# Altium PCB DevKit - PCB.PcbDoc (part 1 of 2) (continued)
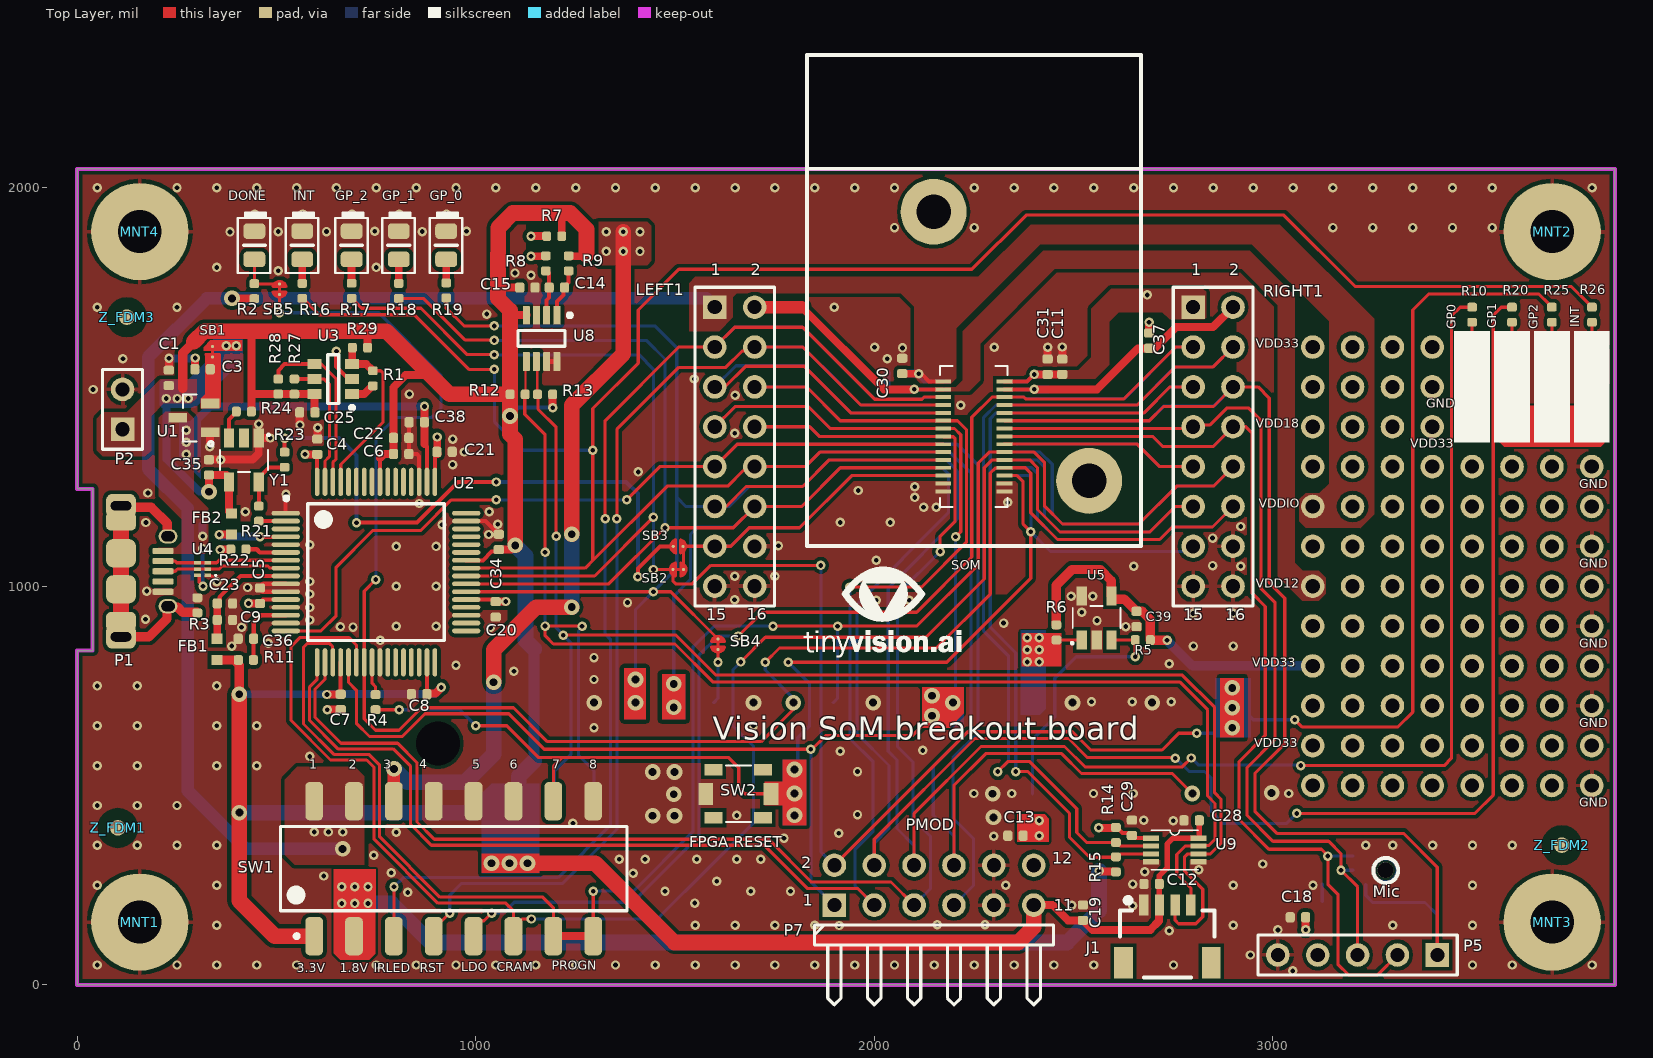
[diagram p0: Top Layer view]
## Footprints (in the part's own frame and the unit in brackets; to place one, negate y for a bottom-side part, rotate by r counter-clockwise, add the part's x,y. Pads: shape width x height; smd on the part's side, far side on the other; paste and mask are expansions set on the pad) (continued)
  silkscreen extent -2.15,-1.75 1.33,1.49, body extent -1.33,-1.75 1.32,1.75, height 1.23
LED2012N [mm]
  rrect50% 1x1.4 smd: 1(-0.9,0) 2(0.9,0)
  silkscreen extent -1.77,-1.02 2.07,1.05, body extent -1,-0.63 1,0.63, height 0.8
LQFP-64 [mm]
  oval 1.8x0.3 smd mask+0.051: 1(-5.75,3.75) 2(-5.75,3.25) 3(-5.75,2.75) 4(-5.75,2.25) 5(-5.75,1.75) 6(-5.75,1.25) 7(-5.75,0.75) 8(-5.75,0.25) 9(-5.75,-0.25) 10(-5.75,-0.75) 11(-5.75,-1.25) 12(-5.75,-1.75) 13(-5.75,-2.25) 14(-5.75,-2.75) 15(-5.75,-3.25) 16(-5.75,-3.75) 33(5.75,-3.75) 34(5.75,-3.25) 35(5.75,-2.75) 36(5.75,-2.25) 37(5.75,-1.75) 38(5.75,-1.25) 39(5.75,-0.75) 40(5.75,-0.25) 41(5.75,0.25) 42(5.75,0.75) 43(5.75,1.25) 44(5.75,1.75) 45(5.75,2.25) 46(5.75,2.75) 47(5.75,3.25) 48(5.75,3.75)
  oval 0.3x1.8 smd mask+0.051: 17(-3.75,-5.75) 18(-3.25,-5.75) 19(-2.75,-5.75) 20(-2.25,-5.75) 21(-1.75,-5.75) 22(-1.25,-5.75) 23(-0.75,-5.75) 24(-0.25,-5.75) 25(0.25,-5.75) 26(0.75,-5.75) 27(1.25,-5.75) 28(1.75,-5.75) 29(2.25,-5.75) 30(2.75,-5.75) 31(3.25,-5.75) 32(3.75,-5.75) 49(3.75,5.75) 50(3.25,5.75) 51(2.75,5.75) 52(2.25,5.75) 53(1.75,5.75) 54(1.25,5.75) 55(0.75,5.75) 56(0.25,5.75) 57(-0.25,5.75) 58(-0.75,5.75) 59(-1.25,5.75) 60(-1.75,5.75) 61(-2.25,5.75) 62(-2.75,5.75) 63(-3.25,5.75) 64(-3.75,5.75)
  silkscreen extent -5.84,-4.35 4.35,4.82, body extent -5,-5 5,5, height 1.6
MNT620-275N#1 [mm]
  round 6.2 / inner round 4.5 / far side round 6.2 hole 2.75 paste-3.15: 1(-0.74,-0.12)
MNT620-275N#2 [mm]
  round 6.2 / inner round 4.5 / far side round 6.2 hole 2.75 paste-3.15: 1(22.2,0)
MNT620-275N#3 [mm]
  round 6.2 / inner round 4.5 / far side round 6.2 hole 2.75 paste-3.15: 1(-0.508,0)
MURA-BLM18-RF-H4-CHIP-2_V [mm]
  rect 0.65x0.7 smd: 1(-0.675,0) 2(0.675,0)
  body extent -0.8,-0.4 0.8,0.4, height 0.95
ONSC-UDFN-6-517AA-01_V [mm] "SON, 6-Leads, Body 1.2x1mm, Pitch 0.4mm"
  rect 0.42x0.22 smd mask+0.051: 1(-0.325,0.4) 2(-0.325,0) 3(-0.325,-0.4) 4(0.325,-0.4) 5(0.325,0) 6(0.325,0.4)
  silkscreen extent -0.88,0.35 -0.79,0.45, body extent -0.5,-0.6 0.5,0.6, height 0.55
PTS820J25MSMTRLFS [mm]
  rect 0.95x1.4 smd: 1(-2.075,0) 2(2.075,0)
  rect 1.15x0.75 smd: G1(-1.575,-1.525) G2(1.575,-1.525) G3(1.575,1.525) G4(-1.575,1.525)
  silkscreen extent -0.8,-1.8 0.8,1.8, body extent -2.25,-1.45 2.25,1.45, height 2.05
RESC1005X40N [mm]
  rrect50% 0.57x0.62 smd: 1(-0.48,0) 2(0.48,0)
  body extent -0.52,-0.27 0.53,0.28, height 0.4
RPI0w1.3 [mm]
  rect 1x1.56 smd: 1(24.13,-2.905) 2(24.13,2.905) 3(21.59,-2.905) 4(21.59,2.905) 5(19.05,-2.905) 6(19.05,2.905) 7(16.51,-2.905) 8(16.51,2.905) 9(13.97,-2.905) 10(13.97,2.905) 11(11.43,-2.905) 12(11.43,2.905) 13(8.89,-2.905) 14(8.89,2.905) 15(6.35,-2.905) 16(6.35,2.905) 17(3.81,-2.905) 18(3.81,2.905) 19(1.27,-2.905) 20(1.27,2.905) 21(-1.27,-2.905) 22(-1.27,2.905) 23(-3.81,-2.905) 24(-3.81,2.905) 25(-6.35,-2.905) 26(-6.35,2.905) 27(-8.89,-2.905) 28(-8.89,2.905) 29(-11.43,-2.905) 30(-11.43,2.905) 31(-13.97,-2.905) 32(-13.97,2.905) 33(-16.51,-2.905) 34(-16.51,2.905) 35(-19.05,-2.905) 36(-19.05,2.905) 37(-21.59,-2.905) 38(-21.59,2.905) 39(-24.13,-2.905) 40(-24.13,2.905)
  round 1.4 hole 2.8 unplated: MH1(29,0.31)
  silkscreen extent -25.65,-4.57 25.65,2.5, body extent -32.6,-27.15 32.4,3.5, height 15.6
Solderbridge [mm]
  round 0.2 smd paste-10: 1(-0.312,0) 2(0.312,0)
  Top Layer region: -0.077,-0.432 -0.152,-0.505 -0.271,-0.467 -0.335,-0.424 -0.409,-0.351 -0.462,-0.292 -0.521,-0.193 -0.549,-0.099 -0.544,0.122 -0.518,0.193 -0.434,0.33 -0.351,0.411 -0.259,0.469 -0.157,0.5 -0.107,0.483 -0.077,0.43
  Top Layer region: 0.077,0.432 0.152,0.505 0.271,0.467 0.335,0.424 0.409,0.351 0.462,0.292 0.521,0.193 0.549,0.099 0.544,-0.122 0.518,-0.193 0.434,-0.33 0.351,-0.411 0.259,-0.469 0.157,-0.5 0.107,-0.483 0.077,-0.43
  Top Layer lines w0.152: 0.153,0.431 cw(c0.042,0) 0.487,0 cw(c0.042,0) 0.153,-0.431 ; -0.153,0.431 ccw(c-0.042,0) -0.338,0.332 ccw(c-0.042,0) -0.487,0 ccw(c-0.042,0) -0.153,-0.431
Solderbridge_Shorted [mm]
  round 0.2 smd paste-10: 1(-0.338,0) 2(0.338,0)
  Top Layer region: 0.102,0.432 0.178,0.505 0.296,0.467 0.361,0.424 0.434,0.351 0.488,0.292 0.546,0.193 0.574,0.099 0.569,-0.122 0.544,-0.193 0.46,-0.33 0.376,-0.411 0.284,-0.469 0.183,-0.5 0.132,-0.483 0.102,-0.43
  Top Layer region: -0.102,-0.432 -0.178,-0.505 -0.296,-0.467 -0.361,-0.424 -0.434,-0.351 -0.488,-0.292 -0.546,-0.193 -0.574,-0.099 -0.569,0.122 -0.544,0.193 -0.46,0.33 -0.376,0.411 -0.284,0.469 -0.183,0.5 -0.132,0.483 -0.102,0.43
  Top Layer lines w0.152: 0.178,-0.431 ccw(c0.068,0) 0.178,0.431 ; -0.178,-0.431 cw(c-0.068,0) -0.178,0.431
  Top Layer lines w0.203: 0.338,0 -0.338,0
SOM-SMD [mm]
  rect 1x0.25 smd mask+0.051: 1(-1.95,-5.15) 2(1.95,-5.15) 3(-1.95,-5.65) 4(1.95,-5.65) 5(-1.95,-6.15) 6(1.95,-6.15) 7(-1.95,-6.65) 8(1.95,-6.65) 9(-1.95,-7.15) 10(1.95,-7.15) 11(-1.95,-7.65) 12(1.95,-7.65) 13(-1.95,-8.15) 14(1.95,-8.15) 15(-1.95,-8.65) 16(1.95,-8.65) 17(-1.95,-9.15) 18(1.95,-9.15) 19(-1.95,-9.65) 20(1.95,-9.65) 21(-1.95,-10.15) 22(1.95,-10.15) 23(-1.95,-10.65) 24(1.95,-10.65) 25(-1.95,-11.15) 26(1.95,-11.15) 27(-1.95,-11.65) 28(1.95,-11.65) 29(-1.95,-12.15) 30(1.95,-12.15)
  round 4.2 hole 2.2: M1(-2.562,5.662) M2(7.344,-11.483)
  silkscreen extent -10.65,-15.65 10.65,15.65, body extent -13.44,-15.65 10.65,15.65, height 16.5
SOT23-5 [mm]
  rect 0.65x1.2 smd: 1(-0.95,-1.4) 2(0,-1.4) 3(0.95,-1.4) 4(0.95,1.4) 5(-0.95,1.4)
  silkscreen extent -1.59,-1.62 1.52,0.76, body extent -1.48,-1.41 1.52,1.59, height 1.4
SOT-23-OT6_L [mm]
  rect 0.9x0.65 smd mask+0.051: 1(-1.2,0.95) 2(-1.2,0) 3(-1.2,-0.95) 4(1.2,-0.95) 5(1.2,0) 6(1.2,0.95)
  silkscreen extent -1.33,-1.55 0.35,1.95, body extent -1.21,-1.4 1.21,1.4, height 1.09
SSOP8-P-0.50A [mm]
  rect 1x0.33 smd mask+0.051: 1(-1.51,0.75) 2(-1.51,0.25) 3(-1.51,-0.25) 4(-1.51,-0.75) 5(1.51,-0.75) 6(1.51,-0.25) 7(1.51,0.25) 8(1.51,0.75)
  silkscreen extent -1.5,-1.25 1.5,1.25, body extent -1.55,-1 1.55,1, height 0.9

## Part data
C1 C21 C22 C23 C24 C30: library part "CAP NP", MPN=C0402C475M7PACTU, Mfg=KEMET, Supplier PN=399-5499-1-ND
C2 C3 C4 C5 C6 C7 C8 C9 C10 C15 C20 C25 C34 C35 C36 C38: library part "CAP NP", "CAP CER 0.1UF 6.3V 0402", MPN=C0402C104Z4VAC7867, Mfg=KEMET, Supplier PN=399-1043-1-ND
C11: library part Cap_100nF_X7R_10%_0402, "CAP CER 4.7UF 6.3V 0402", Manufacturer=KEMET, MPN=C0402C475M7PACTU, Package=0402, Mfg=KEMET, Part #=E-CAP-003, Supplier PN=399-5499-1-ND
C12 C13 C16 C18 C19 C28 C29: library part Cap_100nF_X7R_10%_0402, "CAP CER 0.1UF 6.3V 0402", Manufacturer=TDK, MPN=C0402C104Z4VAC7867, Package=0402, Mfg=KEMET, Part #=E-CAP-003, Supplier PN=399-1043-1-ND
C14: library part "CAP NP", "CAP CER 0.1UF 6.3V 0402", MPN=DNP
C17: library part CAP, "CAP CER 470PF 50V 5% NP0 0402", MPN=GRM1555C1H471JA01D, Mfg="Murata Electronics", Supplier PN=490-1297-1-ND
C26 C27 C32 C33: library part Cap_100nF_X7R_10%_0402, "CAP CER 0.1UF 6.3V 0402", MPN=C0402C104Z4VAC7867, Mfg=KEMET, Supplier PN=399-1043-1-ND
C31 C37: library part Cap_100nF_X7R_10%_0402, "CAP CER 4.7UF 6.3V 0402", Manufacturer=TDK, MPN=C0402C475M7PACTU, Package=0402, Mfg=KEMET, Part #=E-CAP-003, Supplier PN=399-5499-1-ND
C39: library part Cap_1uF_X5R_10%_6V3_0402, "CAP CER 0.1UF 16V Y5V 0402", Manufacturer="Samsung Electro-Mechanics", Manufacturer Part Number=CL05F104ZO5NNNC, Package=0402, Supplier Part Number 1=1276-1004-1-ND, Height=0.55mm, Part #=E-CAP-042, Supplier 1=Digi-Key
DONE GP_0 GP_1 GP_2 INT: library part LED_1, "Avago HSMG-C170", MPN=HSMG-C170, Mfg="Avago Technologies US Inc.", Supplier PN=516-1434-1-ND
FB1 FB2: library part MURA-FB-2, "FERRITE BEAD 1.5 KOHM 0603 1LN", ComponentLink1Description="Manufacturer URL", ComponentLink1URL=http://www.murata.com/, ComponentLink2Description=Datasheet, ComponentLink2URL=http://www.murata.com/products/catalog/pdf/c31e.pdf, ComponentLink3Description="Package Specification", ComponentLink3URL=http://www.murata.com/products/catalog/pdf/c31e.pdf, Mfg=Murata, MPN=BLM18HE152SN1D, Supplier PN=490-5216-1-ND
J1: library part QWIIC_CONNECTORJS-1MM, "CONN HEADER SMD R/A 4POS 1MM", MPN=SM04B-SRSS-TB(LF)(SN), GND=GND, Mfg="JST Sales America Inc.", SCL=SCL, SDA=SDA, Supplier PN=455-1804-1-ND, VCC=VCC
MK1: "Mic Mems Digital I2s Omni -26db", Mfg=Knowles, MPN=SPH0645LM4H-B, Supplier PN=423-1405-1-ND
MNT1 MNT2 MNT3 MNT4: library part MNT_1, Emcraft #=NA, Notes=PCB, Part #=NA
P1: "CONN RCPT MICRO USB AB 5P SMD RA", Mfg=Molex, MPN=0475890001, Supplier PN=WM17143CT-ND
P2: library part "Header 2", "Header, 2-Pin", LatestRevisionDate=17-Jul-2002, LatestRevisionNote="Re-released for DXP Platform.", Publisher="Altium Limited"
P3: library part "Header 15X2", "Header, 15-Pin, Dual row", ComponentLink1Description=https://www.hirose.com/product/en/download_file/key_name/DF23/category/Catalog/doc_file_id/49660/?file_category_id=4&item_id=246&is_series=1&src-supplier=Digi-Key, ComponentLink1URL=https://www.hirose.com/product/en/download_file/key_name/DF23/category/Catalog/doc_file_id/49660/?file_category_id=4&item_id=246&is_series=1&src-supplier=Digi-Key, ComponentLink2Description=http://www.farnell.com/datasheets/1910197.pdf?src-supplier=Element14, ComponentLink2URL=http://www.farnell.com/datasheets/1910197.pdf?src-supplier=Element14, ComponentLink3Description=http://www.hirose.co.jp/cataloge_hp/e68801060.pdf?src-supplier=Avnet+Europe, ComponentLink3URL=http://www.hirose.co.jp/cataloge_hp/e68801060.pdf?src-supplier=Avnet+Europe, ComponentLink4Description=http://www.mouser.com/ds/2/185/DF23_catalog-939018.pdf?src-supplier=Mouser, ComponentLink4URL=http://www.mouser.com/ds/2/185/DF23_catalog-939018.pdf?src-supplier=Mouser, ComponentLink5Description=https://www.hirose.com/product/en/download_file/key_name/DF23C-30DS-0.5V%2851%29/category/Specification%20Sheet/doc_file_id/47546/?file_category_id=9&item_id=06880302851&is_series=&src-supplier=Digi-Key, ComponentLink5URL=https://www.hirose.com/product/en/download_file/key_name/DF23C-30DS-0.5V%2851%29/category/Specification%20Sheet/doc_file_id/47546/?file_category_id=9&item_id=06880302851&is_series=&src-supplier=Digi-Key, ComponentLink6Description=http://www.hirose.co.jp/cataloge_hp/e68801060.pdf?src-supplier=Future+Electronics, ComponentLink6URL=http://www.hirose.co.jp/cataloge_hp/e68801060.pdf?src-supplier=Future+Electronics, ComponentLink7Description=http://www.hirose.co.jp/cataloge_hp/e68801060.pdf?src-supplier=Avnet, ComponentLink7URL=http://www.hirose.co.jp/cataloge_hp/e68801060.pdf?src-supplier=Avnet, Mfg="Hirose Electric Co Ltd", MPN=DF23C-30DS-0.5V(51), Supplier PN=H11879CT-ND
P5: library part "Header 5", "Header, 5-Pin", MPN=61300511121, Mfg="Würth Elektronik", Supplier PN=732-5318-ND
P7: "Header, 6-Pin, Dual row, Right Angle", MPN=67997-212HLF, Mfg="Amphenol ICC (FCI)", Supplier PN=609-3237-ND
R1: library part R_SH, "RESISTOR 1k OHM 1% 0.0625W 0402", MPN=RC0402FR-071KL, Mfg=Yageo, Supplier PN=311-1.00KLRCT-ND
R2 R16 R17 R18 R19: library part R_SH, "RESISTOR 1K OHM 1% 0.0625W 0402", MPN=RC0402FR-071KL, Mfg=Yageo, Supplier PN=311-1.00KLRCT-ND
R3 R8 R9: library part Res_10K_1%_0402, "RES 0 OHM 1/16W 5% 0402", MPN=RMCF0402JT10K0, Mfg=STACKPOLE, Supplier PN=RMCF0402JT10K0CT-ND
R4: library part R_SH, "RESISTOR 0 OHM 1% 0.0625W 0402", MPN=RC0402FR-071KL, Mfg=Yageo, Supplier PN=311-1.00KLRCT-ND
R5 R6: library part Res_10K_1%_0402, "RES 10K OHM 5% 1/16W 0402", Manufacturer=STACKPOLE, Manufacturer Part Number=RMCF0402JT10K0, Package=0402, Supplier Part Number 1=RMCF0402JT10K0CT-ND, Part #=E-RES-003
R7: library part Res_10K_1%_0402, "RES 1 OHM 1/16W 5% 0402", MPN=RC0402JR-071RL, Mfg=Yageo, Supplier PN=311-1.0JRCT-ND
R10 R20 R25 R26: library part Res_10K_1%_0402, "RES 27 OHM 5% 1/16W 0402", Manufacturer=STACKPOLE, Manufacturer Part Number=RMCF0402JT10K0, Package=0402, Supplier Part Number 1=RMCF0402JT10K0CT-ND, Part #=E-RES-003
R11 R24 R27 R28 R29: library part R_SH, "RES SMD 10K OHM 1% 1/16W 0402", MPN=RC0402FR-0710KL, Mfg=Yageo, Price 100=0.01050, Supplier PN=311-10.0KLRCT-ND
R12 R13 R14 R15: library part Res_10K_1%_0402, "RES SMD 10K OHM 1% 1/16W 0402", MPN=RC0402FR-0710KL, Mfg=Yageo, Supplier PN=311-10.0KLRCT-ND
R21 R23: library part R_SH, "RESISTOR 27 OHM 1% 0.0625W 0402", MPN=RC0402JR-0727RL, Mfg=Yageo, Supplier PN=311-27JRCT-ND
R22: library part R_SH, "RESISTOR 12K OHM 1% 0.0625W 0402", MPN=RC0402FR-0712KL, Mfg=Yageo, Supplier PN=311-12.0KLRCT-ND
SB1 SB2 SB4 SB5: library part "Solderbridge Shorted", "Shorted Solderbridge", Artikkelnr Noca=N.A., Artikkelnr Simpro=N.A., Footprint Doc=Solderbridge_Shorted, LatestRevisionDate=2012-08-07, Part Number="Solderbridge Shorted", Pin Count=2, Published=2012-08-07, Publisher="Nordic Semiconductor"
SOM: library part SOM, MPN=DF23C-30DP-0.5V(92), Mfg=Hirose, Supplier PN=H11880CT-ND
SW1: library part CTS-219-8LPST-16, "Switch, SPST, Surface Mount DIP, 8-way, 16-Pin DIP", ComponentLink1Description="Manufacturer URL", ComponentLink1URL=http://www.ctscorp.com/, ComponentLink2Description=Datasheet, ComponentLink2URL=http://www.ctscorp.com/components/Datasheets/219.pdf, Mfg="CTS Electrocomponents", MPN=219-8LPST, Supplier PN=CT2198LPST-ND
SW2: library part SPST_NO, "SWITCH TACTILE SPST-NO 0.05A 12V", Manufacturer=C&K, Supplier Part Number 1=CKN10897CT-ND, Manufacturer Part Number="PTS820 J25K SMTR LFS", Supplier 1=Digi-Key
U1: "IC REG LINEAR 3.3V 150MA SOT23", Mfg="Diodes Inc.", MPN=AP2120N-3.3TRG1, Supplier PN=AP2120N-3.3TRG1DICT-ND
U2: library part COM-UART-FT2232H-LQFP64, "IC USB HS DUAL UART/FIFO 64-LQFP", ComponentLink1Description="Manufacturer URL", ComponentLink1URL=http://www.ftdichip.com/, ComponentLink2Description=Datasheet, ComponentLink2URL=http://www.ftdichip.com/Support/Documents/DataSheets/ICs/DS_FT2232H.pdf, Mfg=FTDI, MPN=FT2232HL-Reel, Supplier PN=768-1024-1-ND
U3: library part MEM-SEEPROM-93AA46B-OT-6, "IC EEPROM 2K SPI 2MHZ SOT23-6", Mfg="Microchip Technology", MPN=93LC56BT-I/OT, Supplier PN=93LC56BT-I/OTCT-ND
U4: library part ONSC-ESDR0502N-UDFN-6-517AA-01, "TVS DIODE 5.5V 6UDFN", ComponentLink1Description="Manufacturer URL", ComponentLink1URL=http://www.onsemi.com/, ComponentLink2Description=Datasheet, ComponentLink2URL=http://www.onsemi.cn/pub_link/Collateral/ESDR0502N-D.PDF, ComponentLink3Description="Package Specification", ComponentLink3URL=http://www.onsemi.com/pub_link/Collateral/517AA.PDF, Mfg="ON Semiconductor", MPN=ESDR0502NMUTAG, Supplier PN=ESDR0502NMUTAGOSCT-ND
U5: "IC EEPROM 1K I2C 400KHZ SOT23-5", Manufacturer="Microchip Technology", Manufacturer Part Number=24AA01T-I/OT, Package=SOT-23-5, Supplier Part Number 1=24AA01T-I/OTCT-ND, ComponentLink1Description="New link", Height=1.45mm, Supplier 1=Digi-Key
U6: "CONN HDR 40POS 0.1 TIN SMD", Arrow Part Number="Raspberry Pi Zero W (v1.3)", Digi-Key Part Number=S5690-ND, Manufacturer="Sullins Connector Solutions", Manufacturer Product Number=NPTC202KFMS-RC
U8: library part TI-INA219DCN8, "IC CURRENT MONITOR 1% SOT23-8", MPN=INA219AIDCNR, ComponentLink1Description="Manufacturer URL", ComponentLink1URL=http://www.ti.com/, ComponentLink2Description=Datasheet, ComponentLink2URL=http://www.ti.com/general/docs/lit/getliterature.tsp?genericPartNumber=INA219&fileType=pdf, ComponentLink3Description="Package Specification", ComponentLink3URL=http://www.ti.com/lit/ml/mpds099c/mpds099c.pdf, Mfg="Texas Instruments", Supplier PN=296-23770-1-ND
U9: "Dual bidirectional level translator", MPN=TC7WPB9307FK,LF(CT, Mfg="Toshiba Semiconductor and Storage", Supplier PN=TC7WPB9307FKLF(CTCT-ND
Y1: library part SIT2001BI-S2-33E, "MEMS OSC XO 12.0000MHZ H/LV-CMOS", MPN=SIT2001BI-S2-33E-12.000000G, Mfg=SiTIME, Supplier PN=1473-SIT2001BI-S2-33E-12.000000G-ND
SB3: Artikkelnr Noca=N.A., Artikkelnr Simpro=N.A., Footprint Doc=Solderbridge, LatestRevisionDate=2009-12-14, Part Number=Solderbridge, Pin Count=2, Published=2009-12-14, Publisher="Nordic Semiconductor"

## Via types
v1: diameter 23.62, hole 11.81, Top Layer to Bottom Layer, tented both sides, 363 vias
v2: diameter 39.37/23.62 (per signal layer), hole 19.68, Top Layer to Bottom Layer, 23 vias
v3: diameter 23.62/23.62 (per signal layer), hole 11.81, Top Layer to Bottom Layer, tented both sides, 21 vias
v4: diameter 39.37, hole 19.68, Top Layer to Bottom Layer, tented both sides, 19 vias

## Nets (pads, with @x,y where several pads share a name; then routed paths per layer and width w, separated by ;. In a path a pad name is that pad's centre, name@x,y a point inside that pad or via, vN(x,y) a via of type N, cw(c..) or ccw(c..) an arc to the next point about the centre after c; other vN are vias at no path point)
CLK_12MHZ: R23.2 SB3.2 | length 1502.6
  Top Layer w10: R23.2@520.87,1336.19 v1(520.87,1371.53) ; v1(701,1159.4) 853.27,1159.4 955.25,1261.37 v1(1051.77,1261.37) ; v1(1407,1024) 1407,1044 1463,1100 1488.83,1100 SB3.2@1495.7,1100
  Bottom Layer w10: v1(520.87,1371.53) 657.83,1371.53 701,1328.37 v1(701,1159.4) ; v1(1051.77,1261.37) 1377.63,1261.37 1407,1232 v1(1407,1024)
DONE: P3.23 RIGHT1.12 SB5.2 SOM.24 U2.23 U6.16 | length 5259.4
  Top Layer w7.87: v1(508,1686) SB5.2@508,1731.7 ; v1(749.58,1016.71) 720.47,987.6 U2.23@720.47,809.06 720.47,667.22 748.92,638.78 807.78,638.78 864,695 1095,695 1180,610 1716.17,610 v2@1796.17,690 ; v1(1726.38,809.06) 1762.32,845 2156,845 2291,980 2291,1284 2303.14,1296.14 2325.79,1296.14 SOM.24@2326.77,1297.13 2378.87,1297.13 2392.77,1283.23 2392.77,1184 2459.77,1117 2715.84,1117 2747.42,1148.59 2848.59,1148.59 RIGHT1.12@2900,1200
  Bottom Layer w7.87: v1(508,1686) 757,1686 913.19,1529.81 913.19,1447.19 889,1423 798.8,1423 749.58,1373.78 v1(749.58,1016.71) ; v1(1726.38,809.06) 1726.38,789.88 1797.24,719.02 U6.16@1797.24,707.99 ; P3.23@2358.46,1297.13 2394.87,1297.13 2410,1282 2410,1166.77 2459.77,1117 2715.84,1117 2747.46,1148.62 2848.62,1148.62 RIGHT1.12@2900,1200
  other v2: 1797,707.99
FT_VDD18: C4.1 C5.1 C20.1 C21.1 U2.12 U2.37 U2.49 U2.64 | length 414.6
  Top Layer w10: C5.1@455.12,956.89 457.08,956.89 466.72,966.54 U2.12@523.62,966.54 ; C4.1@602.09,1330.71 602.09,1262.09 U2.64@602.36,1261.81 ; U2.49@897.64,1261.81 897.98,1262.16 897.98,1325.74 C21.1@903.94,1331.69 ; U2.37@976.38,966.54 976.72,966.19 1045.23,966.19 C20.1@1050.2,961.22 C20.1@1050.42,961.44 ; v1@1075.62,961.44 v1(1075.84,961.66)
  Top Layer w19.68: v1(430.14,956.74) 430.21,956.81 455.04,956.81 C5.1@455.12,956.89 ; v1(903.54,1374.21) 903.54,1332.09 C21.1@903.94,1331.69
  Top Layer w20: v1(571.89,1331.23) 572.15,1330.97 602.5,1330.97 C4.1@602.76,1330.71 ; C20.1@1050.42,961.44 v1@1075.62,961.44
FT_VPHY: C10.1 C24.1 FB2.1 U2.4 | length 197.6
  Top Layer w10: v1(459,1124.02) U2.4@523.62,1124.02
  Top Layer w20: v1(357.13,1129.55) 357.2,1129.49 386.94,1129.49 FB2.1@387,1129.43
  Bottom Layer w20: v1(357.13,1129.55) 358.11,1129.55 363.2,1124.46 C24.1@388.75,1124.46 ; C24.1@389.5,1124.21 C10.1@426.35,1124.21 ; C10.1@426.64,1124.31 458.7,1124.31 v1(459,1124.02)
FT_VPLL: C9.1 C23.1 FB1.1 U2.9 | length 295.2
  Top Layer w11.02: C23.1@351.77,956.69 357.56,962.48 357.56,972.76 410.38,1025.59 U2.9@523.62,1025.59
  Top Layer w19.68: FB1.1@351.38,868.11 351.57,868.31 351.57,915.35 351.57,956.5 C23.1@351.77,956.69
GND: C1.2 C2.2 C3.2 C4.2 C5.2 C6.2 C7.2 C8.2 C9.2 C10.2 C11.2 C12.2 C13.2 C15.2 C16.2 C17.2 C18.2 C19.2 C20.2 C21.2 C22.2 C23.2 C24.2 C25.1 C26.2 C27.2 C28.2 C29.2 C30.2 C31.2 C32.2 C33.2 C34.2 C35.1 C36.1 C37.2 C38.2 C39.1 DONE.2 GP_0.2 GP_1.2 GP_2.2 INT.2 J1.1 LEFT1.14 LEFT1.15 LEFT1.16 LEFT2.10 LEFT2.12 LEFT2.14 LEFT2.16 LEFT3.16 LEFT4.16 LEFT5.16 LEFT6.16 LEFT7.16 MK1.2 MK1.3 MNT1.1 MNT2.1 MNT3.1 MNT4.1 P1.5 P2.2 P3.27 P3.28 P3.29 P3.30 P5.5 P7.9 P7.10 R3.1 R22.1 RIGHT1.14 RIGHT1.15 RIGHT1.16 SOM.27 SOM.28 SOM.29 SOM.30 SW1.9 SW1.11 SW1.12 SW1.13 SW2.2 U1.1 U2.1 U2.5 U2.10 U2.11 U2.13 U2.15 U2.25 U2.35 U2.47 U2.51 U3.2 U4.1 U5.2 U5.5 U6.6 U6.9 U6.14 U6.20 U6.25 U6.30 U6.34 U6.39 U8.3 U8.7 U8.8 U9.4 U9.5 Y1.1 | length 1263.5
  Top Layer w7.87: U4.1@327.8,1027.25 328.19,1026.86 335.05,1026.86 v1@350.1,1011.81
  Top Layer w10: v1@523.48,1231.03 523.48,1183.21 U2.1@523.62,1183.07 ; v1@650,1590 650,1551.11 656.88,1544.23 673.63,1527.48 682.17,1527.48 U3.2@689.96,1519.69 ; C38.2@833.07,1411.52 832.68,1411.12 832.68,1373.23 832.28,1372.83 C6.2@832.28,1331.69 849.84,1331.69 850.24,1331.3 852.36,1331.3 858.27,1325.39 U2.51@858.27,1261.81 ; U2.47@976.38,1163.39 976.72,1163.04 1024.95,1163.04 1057.48,1130.51 C34.2@1059.06,1130.51
  Top Layer w11.81: C5.2@450.89,991.24 455.12,995.47 C5.2@456.69,995.47 ; U2.11@523.62,986.22 465.94,986.22 C5.2@456.69,995.47 ; U2.10@523.62,1005.91 467.13,1005.91 C5.2@456.69,995.47 ; U8.7@1178.25,1563.69 1200.89,1563.69 1201.77,1564.57 1201.77,1565.76 U8.8@1203.84,1563.69
  Top Layer w20: v1@230,1571 230.16,1570.84 230.16,1542.09 C1.2@230.31,1541.93 ; C3.2@295.67,1544.29 295.83,1544.46 295.83,1572.83 v1@296,1573 ; C35.1@331,1317.29 440.29,1317.29 455.84,1332.84 455.84,1371.53 Y1.1@455.92,1371.61 ; v1@333.44,1352.17 333.44,1386 U1.1@333.66,1386.22 ; v1@358,1092 385.31,1092 R22.1@385.83,1092.52 ; v1@484.25,1371.53 484.21,1371.57 Y1.1@455.95,1371.57 ; C25.1@558.46,1436.02 C25.1@558.46,1436.02 558.51,1404.61 v1@558.55,1404.57 ; C4.2@602.76,1369.29 C4.2@602.76,1369.29 602.8,1397.44 v1@602.84,1397.48 ; v1@626.97,690.35 C7.2@661.42,690.35 ; C31.2@2434.85,1569.83 v1@2434.85,1599.99 ; C11.2@2471.85,1569.82 2472.02,1569.98 2472.02,1599.83 v1@2472.18,1600 ; C37.2@2689.4,1635.49 v1(2689.4,1662.2) ; Y1.1@455.92,1371.61 Y1.1@455.95,1371.57
  Bottom Layer w9.84: C16.2@3124.02,209.65 C17.2@3124.02,252.35
  Bottom Layer w20: v1(230.78,1571.76) 294.8,1571.76 295.63,1572.59 v1(296.61,1572.59) ; C32.2@2030.62,1493.85 2031.12,1494.34 2031.12,1532.72 C33.2@2031.61,1533.22
  other v1: 3049.78,34.76 50.78,49.76 250.78,49.76 350.78,49.76 450.78,49.76 550.78,49.76 750.78,49.76 850.78,49.76 950.78,49.76 1050.78,49.76 1150.78,49.76 1250.78,49.76 1350.78,49.76 1450.78,49.76 1550.78,49.76 1650.78,49.76 1750.78,49.76 1850.78,49.76 1950.78,49.76 2050.78,49.76 2150.78,49.76 2250.78,49.76 2350.78,49.76 2450.78,49.76 2550.78,49.76 2750.78,49.76 3500.78,49.76 3600.78,49.76 3800.78,49.76 2943.78,74.76 2739.78,135.76 3012.78,137.76 1911.78,148.76 350.78,149.76 1550.78,149.76 1650.78,149.76 1750.78,149.76 1850.78,149.76 2900.78,149.76 3300.78,149.76 3500.78,149.76 2157.78,150.76 2277.78,150.76 2648,198 2495.78,199.76 829.78,231.76 1790,235 50.78,249.76 350.78,249.76 2329.78,249.76 2900.78,249.76 3100.78,249.76 3500.78,249.76 2648.78,252.76 618.7,272.9 788.2,280.8 2678.78,283.76 2813.78,288.76 2975,303 744.4,325.1 50.78,349.76 150.78,349.76 250.78,349.76 350.78,349.76 3232.78,349.76 3300.78,349.76 3400.78,349.76 3500.78,349.76 3600.78,349.76 1773.5,367.5 2299.78,372.76 800.78,382.76 2749.78,411.76 2675.78,412.76 50.78,449.76 150.78,449.76 250.78,449.76 2250,480 2345,480 2550,480 2650,480 3040,480 50.78,549.76 150.78,549.76 350.78,549.76 450.78,549.76 584.15,573 1297,645 50.78,649.76 150.78,649.76 350.78,649.76 450.78,649.76 1697,650 627.75,690.11 2545,710 2745,710 2647.28,710.22 50.78,749.76 150.78,749.76 350.78,749.76 1297,766 1096,787 950.78,802.04 2739.78,805.76 1297,821 387.78,849.76 2800.78,849.76 2900.78,849.76 479.71,856.54 760.62,863.93 412.78,896.76 1037.22,896.39 660.7,898.1 692.3,897.4 2630.78,898.76 800.78,899.76 900.78,899.76 2324.4,907.5 2558.78,913.76 584.15,915.11 171.78,916.76 2799.78,931.76 2900.78,931.76 2520.78,934.76 584.15,946.61 1381,959 2005,965 2088,965 1649.61,966.19 2493.78,974.76 2548,975 583.37,980.54 174.78,987.76 427.78,996.76 800.78,999.76 900.78,999.76 350.88,1011.57 583.37,1011.81 1649.78,1024.76 1750.78,1024.76 2650.78,1049.76 2919.78,1049.76 2848.78,1051.76 358.78,1091.76 800.78,1099.76 900.78,1099.76 1759.6,1101.2 584.15,1104.09 2848.78,1120.76 1032.78,1129.76 2919.78,1149.76 915.6,1154.1 1055.78,1155.76 172.78,1159.76 422.5,1187 1034.1,1187 2123.78,1197.76 2155.78,1197.76 858.7,1207.5 2334.64,1210.19 2101.78,1222.76 524.26,1230.79 177.78,1233.76 2101.78,1249.76 1407.78,1286.76 942.07,1305.17 360.78,1316.76 971.48,1336.76 332.78,1349.76 942.85,1369.09 484.78,1371.76 1649.78,1383.76 603.62,1397.24 559.28,1404.37 455.78,1406.76 2216.78,1453.76 1650.78,1478.76 833.85,1482.04 40.15,1493.46 1548.78,1519.76 115.05,1570.6 2032.78,1570.76 650.78,1589.76 2070.78,1597.76 2000.78,1599.76 2300.78,1599.76 2435.63,1599.74 2472,1600 1027.78,1682.76 50.78,1699.76 250.78,1699.76 1900,1700 1138.78,1779.76 1098.78,1785.76 504.78,1791.76 350.78,1799.76 750.78,1799.76 383.78,1888.76 504.78,1889.76 625.78,1889.76 865.78,1889.76 746.78,1890.76 977.16,1890.5 2050.78,1899.76 2250.78,1899.76 3150.78,1899.76 3250.78,1899.76 3350.78,1899.76 3450.78,1899.76 3550.78,1899.76 445.66,1932.76 689.76,1932.76 807.87,1932.76 565.74,1933.76 926.96,1933.76 50.78,1999.76 250.78,1999.76 350.78,1999.76 450.78,1999.76 550.78,1999.76 650.78,1999.76 750.78,1999.76 850.78,1999.76 950.78,1999.76 1050.78,1999.76 1150.78,1999.76 1250.78,1999.76 1350.78,1999.76 1450.78,1999.76 1550.78,1999.76 1650.78,1999.76 1750.78,1999.76 1850.78,1999.76 1950.78,1999.76 2050.78,1999.76 2250.78,1999.76 2350.78,1999.76 2450.78,1999.76 2550.78,1999.76 2650.78,1999.76 2750.78,1999.76 2850.78,1999.76 2950.78,1999.76 3050.78,1999.76 3150.78,1999.76 3250.78,1999.76 3350.78,1999.76 3450.78,1999.76 3550.78,1999.76 3800.78,1999.76
  other v2: 2299,420 1444,424 1499,424 2296.99,479.25 2997,481.5 1444,534 1499,534 1297.24,707.99 1697.24,707.99 1997.24,707.99 2497.24,707.99 2697.24,707.99
  other v3: 1550,205 1475,235 1690,235 1605,260 1395,280 1360,315 1425,315 1555,315 1655,315 1715,315 1911,380 1244,405 1655,425 1958,427 1958,535 1915,586 2122,588 2005,1065 1915,1160 2040,1160 1960,1240
  other v4: 1496.99,478.25
GPIO_0: LEFT1.11 P3.22 P7.6 R10.2 R19.1 SB4.2 SOM.21 U2.38 U6.8 | length 7448.1
  Top Layer w7.87: R19.1@926.18,1723.23 926.26,1723.23 926.26,1697.44 970.7,1653 v1(1047,1653) ; U2.38@976.38,986.22 v1(1446,986.22) 1489.38,986.22 SB4.2@1608,867.6 ; LEFT1.11@1600,1200 1628.38,1200 1678.38,1250 1820.36,1250 1887.17,1316.81 SOM.21@2173.23,1316.81 ; P7.6@2100,300 2100,430 2267.94,597.94 2477.38,597.94 2528.63,546.69 2772.95,546.69 v1(2795.25,568.99) ; v1(3070.24,549.94) 3429.94,549.94 3448,568 3448,1678 3470,1700 R10.2@3500,1700
  Bottom Layer w7.87: v1(1047,1653) 1449.17,1653 1504.39,1597.78 1504.39,1222.76 ; v4(1401,766) 1401,941.22 v1(1446,986.22) 1504.39,1044.61 1504.39,1222.76 ; P7.6@2100,300 2100,349 2057,392 2057,564 2035,586 2035,995 2209,1169 2209,1288 2180.19,1316.81 P3.22@2141.54,1316.81 1887.17,1316.81 1820.36,1250 1686.95,1250 1636.95,1200 LEFT1.11@1600,1200 1527.15,1200 1504.39,1222.76 ; v1(2795.25,568.99) 2812.59,551.65 3068.52,551.65 v1(3070.24,549.94)
  other v4: 1401,707.99
GPIO_1: LEFT1.12 P3.24 P7.4 R18.1 R20.2 SOM.23 U2.39 U6.10 | length 7860.1
  Top Layer w7.87: R18.1@807.09,1722.05 868.95,1722.05 973,1618 v1@1047,1618 ; U2.39@976.38,1005.91 1334.38,1005.91 v1(1475,1146.53) 1646.53,1146.53 LEFT1.12@1700,1200 1818,1200 1915.13,1297.13 SOM.23@2173.23,1297.13 ; P7.4@2000,300 2000,365 2252.82,617.82 2487.18,617.82 2535,570 2753.35,570 v1(2755,568.35) ; v1(3060,430) 3507,430 3553,476 3553,1680 3573,1700 R20.2@3600,1700
  Bottom Layer w7.87: v1(1047,1616.67) 1428.4,1616.67 1475,1570.07 v1(1475,1146.53) ; v4(1497,755) 1497,975.22 1539,1017.22 1539,1130 1557,1148 1648,1148 LEFT1.12@1700,1200 1818,1200 1915.13,1297.13 P3.24@2141.54,1297.13 2170.87,1297.13 2186,1282 2186,1184 1957,955 1957,630.16 2037,550.16 2037,392 2000,355 P7.4@2000,300 ; v1(2755,568.35) 2756.65,568.35 2790,535 2828.57,535 2845,518.57 2845,435 2875,405 3035,405 v1(3060,430)
  other v4: 1497,696
GPIO_2: P7.2 R17.1 R25.2 SB2.2 U2.40 U6.38 | length 6159.3
  Top Layer w7.87: R17.1@688.98,1722.24 713.98,1697.24 862.76,1697.24 979,1581 v1@1048,1581 ; U2.40@976.38,1025.59 1298.52,1025.59 v1(1446,1173.07) ; v1(1446,1042) SB2.2@1494.7,1042 1494.7,1013.18 1501.98,1005.91 1543.82,1005.91 1590.04,1052.13 v1(1866,1052.13) ; P7.2@1900,300 2235,635 2496.76,635 2542.76,589 2722.1,589 2764.1,631 v1(2809,631) ; v1(3054.78,665) 3072.78,647 3314,647 3351,684 3351,1693 3391,1733 3667,1733 3691.73,1708.27 3691.73,1708.19 3699.92,1700 R25.2@3700,1700
  Bottom Layer w7.87: v1(1047,1580.33) 1410.32,1580.33 1446,1544.65 v1(1446,1173.07) v1(1446,1042) ; v1(1866,1052.13) 1866,334 P7.2@1900,300 ; v1(2809,631) 2866,631 2880,645 v2(2898,645) ; U6.38@2907.99,707.99 2907.99,696.86 2912.99,691.86 2924.13,691.86 2950.98,665 v1(3054.78,665)
  other v2: 2898,695 2898,745
GPIO_2_SOM: LEFT1.13 P3.26 SB2.1 SB3.1 SOM.25 | length 1393
  Top Layer w8: SB3.1@1520.3,1100 1521.3,1099 1521.3,1086.92 SB2.1@1521.3,1042 ; 1527.17,1100 LEFT1.13@1600,1100 1640.08,1100 1686.61,1146.53 1812.53,1146.53 1943.44,1277.44 SOM.25@2173.23,1277.44
  Bottom Layer w8: LEFT1.13@1600,1100 1640.08,1100 1686.61,1146.53 1812.53,1146.53 1943.44,1277.44 1987.29,1277.44 P3.26@2141.54,1277.44
HOST_INTR: LEFT1.10 P3.20 P7.8 R16.1 R26.2 SOM.19 U2.41 U6.35 | length 8041.4
  Top Layer w7.87: R16.1@564.96,1722.05 565.94,1722.05 606.99,1681 846,1681 983,1544 v1(1047,1544) v1@1048,1544 ; U2.41@976.38,1045.28 1274.56,1045.28 1294.88,1065.6 ; SOM.19@2173.23,1336.5 1939.79,1336.5 1863.5,1336.5 1827,1300 LEFT1.10@1700,1300 1690.21,1290.21 1671.77,1290.21 1632.56,1251 1480.28,1251 1294.88,1065.6 ; P7.8@2200,300 2200,500.69 2279.31,580 2470,580 2520,530 2748,530 v2(2798,480) ; R26.2@3800.78,1700 3800.7,1700 3792.51,1708.19 3792.51,1708.27 3748.78,1752 3206.8,1752 3027.8,1931 2381,1931 2245,1795 1509.75,1795 1407.78,1693.03 1407.78,1559.76 1293.78,1445.76 v1(1293.78,1341) 1293.78,1066.7 1294.88,1065.6
  Bottom Layer w7.87: v1(1047,1544) 1047,1413.03 1119.03,1341 v1(1293.78,1341) ; LEFT1.10@1700,1300 1827,1300 1863.5,1336.5 P3.20@2141.54,1336.5 2189.5,1336.5 2243,1283 2243,643 2148,548 2148,425 2200,373 P7.8@2200,300
HOST_MISO: LEFT1.8 P3.16 P7.5 SOM.15 U2.18 U6.21 | length 4182.3
  Top Layer w7.87: U2.18@622.05,809.06 622.05,766.54 597.15,741.64 597.15,670.96 662.28,605.83 804.17,605.83 853,557 853,408.54 896.54,365 1735,365 1842,258 2042,258 P7.5@2100,200 ; LEFT1.8@1700,1400 1838,1400 1862.13,1375.87 SOM.15@2173.23,1375.87 2174.21,1374.88 2198.39,1374.88 2203,1370.27 2203,1163 2165.35,1125.35 v1(2165.35,1086.92)
  Bottom Layer w7.87: LEFT1.8@1700,1400 1838,1400 1862.13,1375.87 P3.16@2141.54,1375.87 ; P7.5@2100,200 2141.54,241.54 2141.54,372.02 2097.24,416.32 U6.21@2097.24,479.25 2097.24,558.76 2058,598 2058,979.57 v1(2165.35,1086.92)
HOST_MOSI: LEFT1.6 P3.12 P7.3 SOM.11 U2.17 U6.19 | length 4381.9
  Top Layer w7.87: U2.17@602.36,809.06 602.36,766.34 583.37,747.34 583.37,663.09 654.46,592 793,592 837,548 837,402.05 889.05,350 1724,350 1832,242 1958,242 P7.3@2000,200 ; LEFT1.6@1700,1500 1830,1500 1914.76,1415.24 SOM.11@2173.23,1415.24 2208.76,1415.24 2231,1393 2231,1110 2119,998 v1(1939,998)
  Bottom Layer w7.87: LEFT1.6@1700,1500 1830,1500 1914.76,1415.24 P3.12@2141.54,1415.24 ; v1(1939,998) 1939,618 1997.24,559.76 U6.19@1997.24,479.25 1997.24,385.24 1952,340 1952,248 P7.3@2000,200
HOST_SCK: LEFT1.9 P3.18 P7.7 SOM.17 U2.16 U6.23 | length 3792.4
  Top Layer w7.87: U2.16@523.62,887.8 612.19,887.8 650,925.61 650,1048 741.6,1139.6 862.12,1139.6 939.05,1216.54 v1(1051.77,1216.54) ; v1@1379,1217 1462,1300 LEFT1.9@1600,1300 1656.18,1356.18 SOM.17@2173.23,1356.18
  Bottom Layer w7.87: v1(1051.77,1216.54) v1(1379,1216.54) ; LEFT1.9@1600,1300 1656.18,1356.18 1707.99,1356.18 P3.18@2141.54,1356.18 2208,1356.18 2260.63,1303.55 2260.63,632.62 2197.24,569.24 U6.23@2197.24,479.25 2197.24,418.39 2249,366.64 2249,249 P7.7@2200,200
HOST_SSN: LEFT1.7 P3.14 P7.1 SOM.13 U2.21 U6.24 | length 4063.4
  Top Layer w7.87: U2.21@681.1,809.06 681.1,758.86 700.79,739.17 700.79,656.1 733.86,623.03 816.03,623.03 873,680 1083.07,680 1172.07,591 v1(1841,591) 1844,591 1878,625 2095,625 v2(2145,675) ; LEFT1.7@1600,1400 1651,1451 1834,1451 1889.45,1395.55 SOM.13@2173.23,1395.55 2201.45,1395.55 2217,1380 2217,1136.49 2204.51,1124 v1(2204,1124)
  Bottom Layer w7.87: LEFT1.7@1600,1400 1651,1451 1834,1451 1889.45,1395.55 P3.14@2141.54,1395.55 ; v1(1841,591) 1841,259 P7.1@1900,200 ; v2(2197.24,707.99) 2204,714.75 v1(2204,1124)
  other v2: 2145,725
ID_SCL: R6.1 U5.1 U6.28 | length 65.1
  Top Layer w7.87: R6.1@2456,864.1 R6.1@2457,865.1 2520.38,865.1 U5.1@2520.59,864.88
  other v1: 2384,810 2414,810 2384,840.5 2414,840.5 2384,871 2414,871
ID_SDA: R5.1 U5.3 U6.27 | length 638.3
  Top Layer w7.87: U5.3@2595.39,864.88 R5.1@2654.83,864.88 v1(2654.83,823)
  Bottom Layer w7.87: U6.27@2397.24,479.25 2397.24,616.18 2453,671.93 2453,769 2507,823 v1(2654.83,823)